# Altium PCB HIVE_SIGHT.PcbDoc (part 3 of 4)
Units mil, origin at the board's own origin, x right, y up, seen from the top; angles counter-clockwise.
Board outline 2755.91 x 4245.66 mil, 4 copper layers (Top, GND, PWR, Bottom), stack 60.394 mil thick; 270 components, 195 nets, 1094 pads, 396 vias.
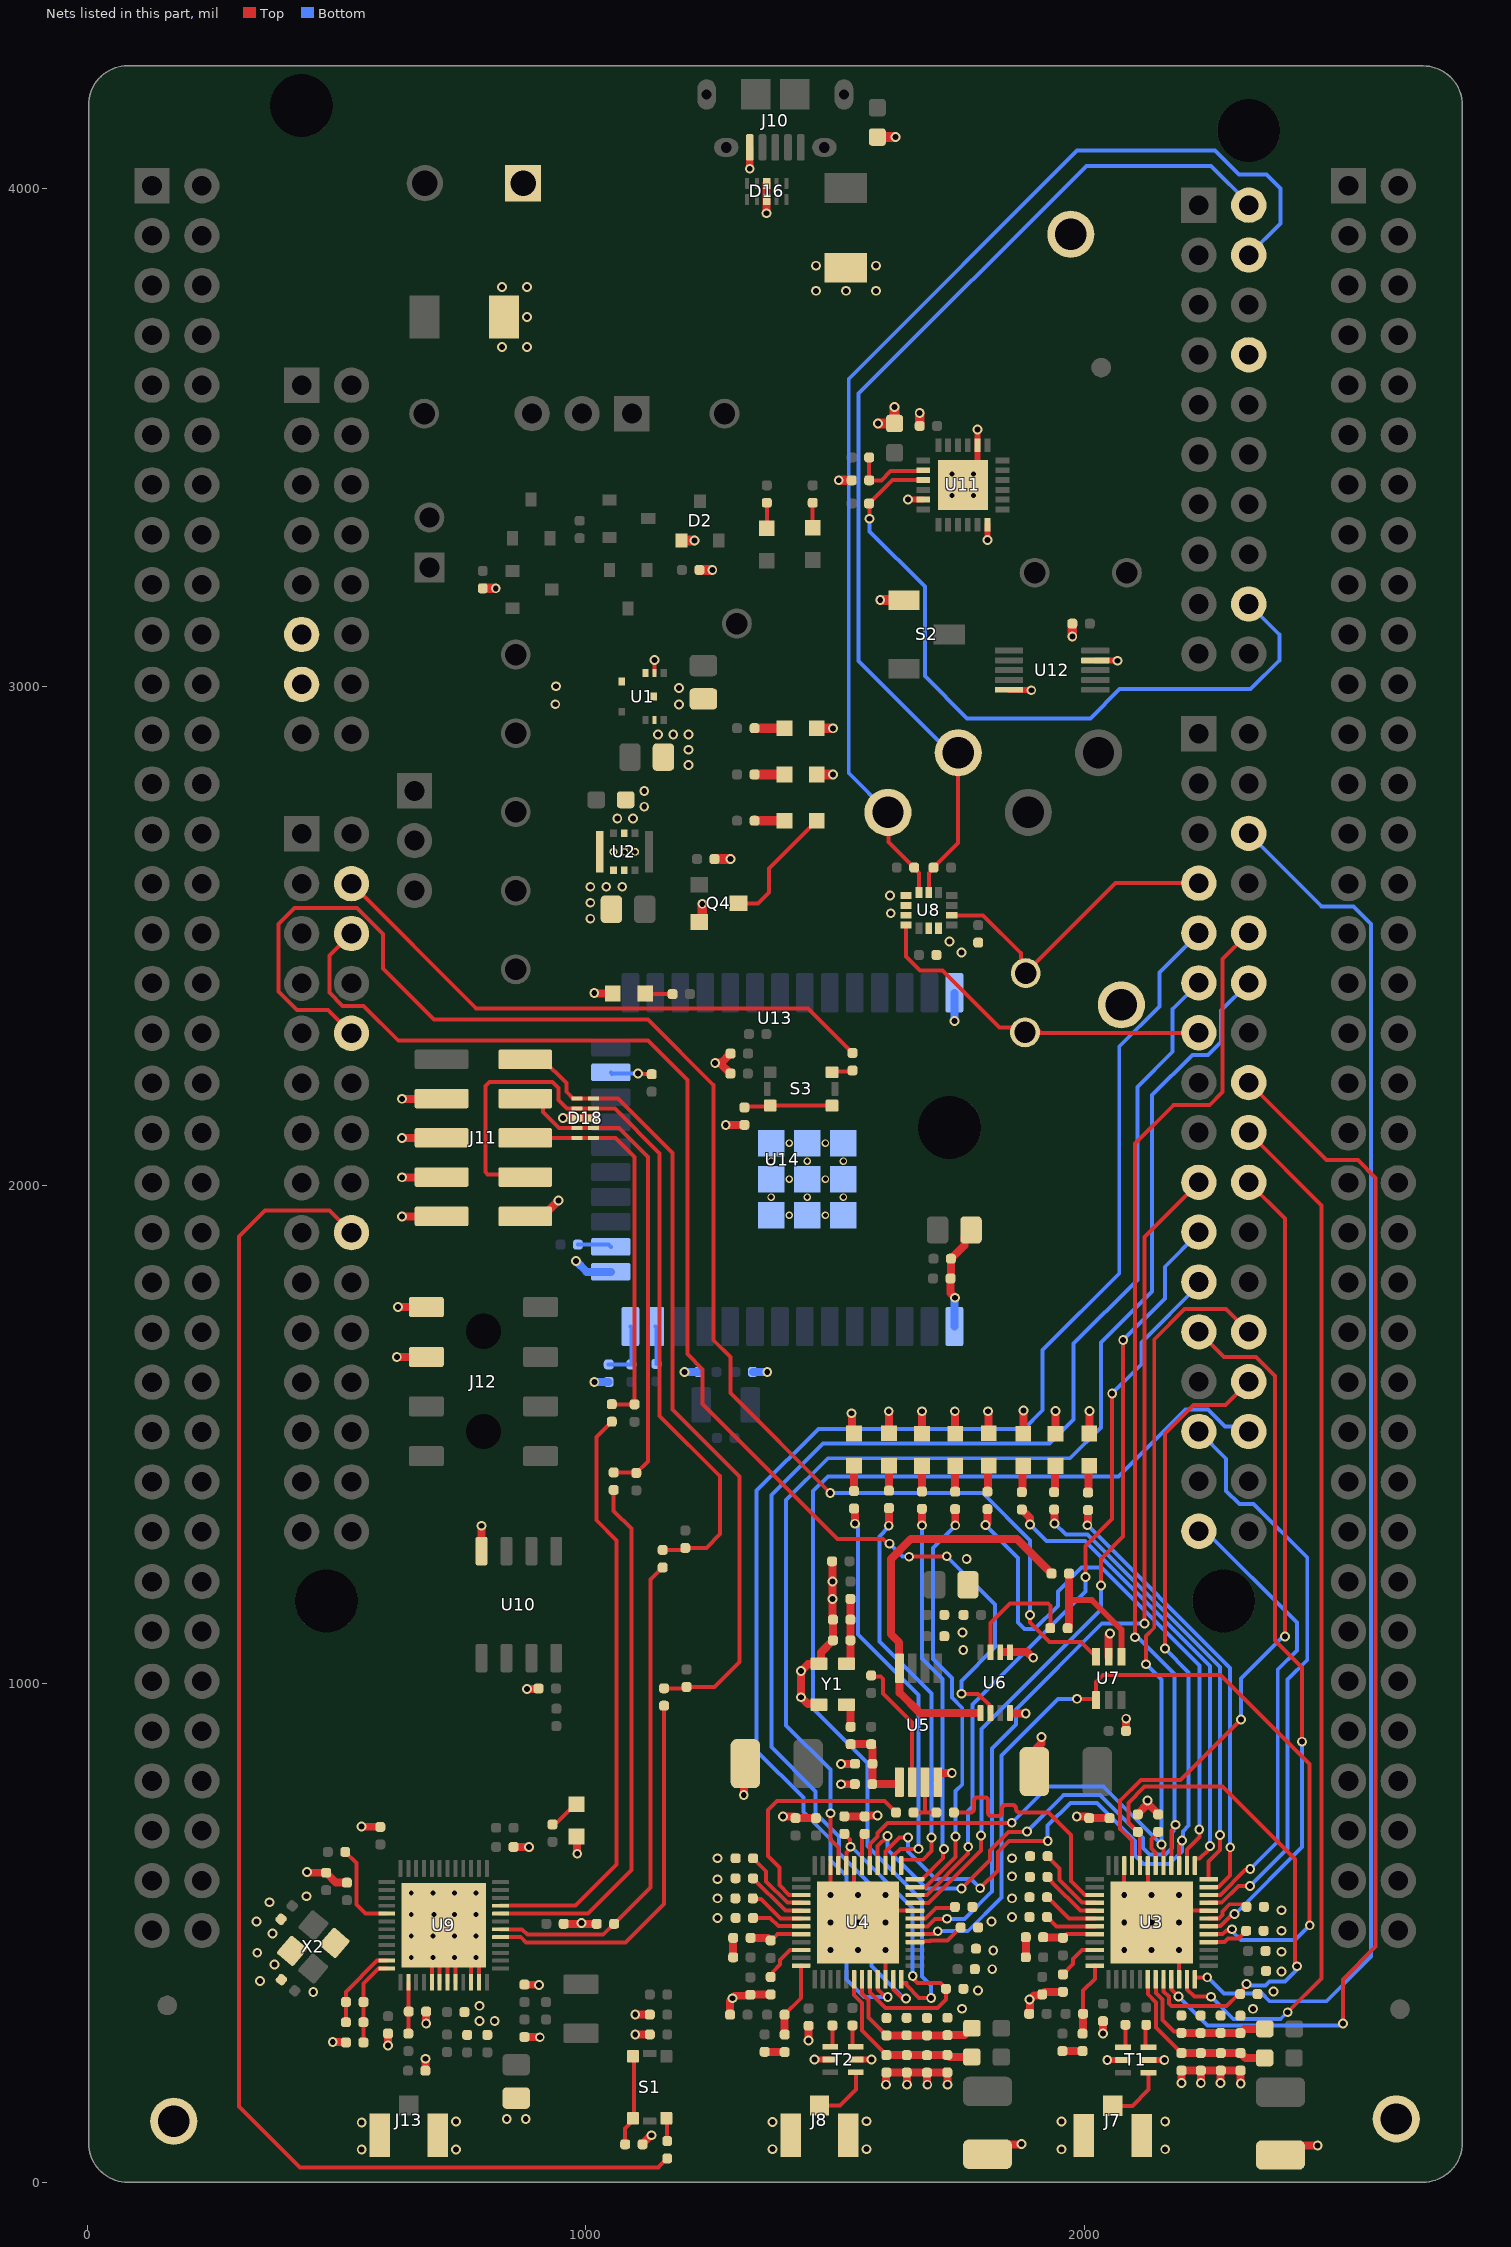
[diagram p5: the nets of this part, all layers, seen from the top]

## Via types
v1: diameter 19.68, hole 11.81, Top to Bottom, tented both sides, 346 vias
v2: diameter 19.68, hole 11.81, Top to Bottom, 18 vias
v3: diameter 19.68, hole 10, Top to Bottom, 16 vias
v4: diameter 15.75, hole 10, Top to Bottom, 12 vias
v5: diameter 20, hole 10, Top to Bottom, 4 vias

## Nets (pads, with @x,y where several pads share a name; then routed paths per layer and width w, separated by ;. In a path a pad name is that pad's centre, name@x,y a point inside that pad or via, vN(x,y) a via of type N, cw(c..) or ccw(c..) an arc to the next point about the centre after c; other vN are vias at no path point) (continued)
GND: C1.1 C2.1 C3.1 C4.1 C5.2 C6.2 C7.2 C8.2 C9.2 C10.1 C11.1 C12.1 C13.1 C14.2 C17.2 C20.1 C21.1 C22.1 C23.1 C24.2 C25.2 C26.2 C27.2 C28.2 C29.2 C30.2 C31.2 C32.1 C35.2 C36.2 C37.2 C38.2 C39.2 C40.1 C41.1 C42.1 C43.1 C44.2 C46.2 C48.1 C49.1 C50.1 C51.1 C52.2 C53.2 C56.2 C57.2 C58.2 C59.2 C60.2 C61.2 C62.1 C67.1 C68.1 C69.1 C70.1 C71.2 C73.1 C74.1 C75.1 C76.1 C77.2 C78.2 C79.1 C80.1 C81.1 C82.1 C84.1 C85.1 C86.1 C87.1 C88.1 C89.1 C90.1 C91.1 C92.1 C93.1 C94.1 C95.1 C96.1 C97.1 C98.1 C99.1 C100.1 C101.1 C102.2 C103.1 C104.1 C105.1 C106.1 C107.1 C108.1 C109.1 C110.1 C111.1 C112.1 C113.1 D2.1 D3.K D4.K D6.K D7.K D8.K D9.K D10.K D11.K D12.K D13.K D14.1 D15.1 D16.3 D16.8 D17.K D18.3 D18.8 D21.K J7.2 J7.3 J8.2 J8.3 J9.1 J10.5 J11.3 J11.5 J11.7 J11.9 J11.10 J12.5 J12.6 J13.2 J13.3 Q4.2 R4.2 R5.2 R7.2 R14.1 R21.1 R24.1 R29.1 R32.1 R39.1 R42.1 R47.1 R52.1 S2.1 T1.2 T1.5 T2.2 T2.5 TP13.1 TP14.1 TP15.1 TP16.1 U1.2 U1.5 U1.7 U2.2 U2.5 U2.9 U3.22 U3.32 U3.43 U3.46 U3.49 U4.22 U4.32 U4.43 U4.46 U4.49 U5.4 U6.4 U6.5 U6.6 U7.2 U8.1 U8.2 U8.3 U8.6 U8.7 U9.5 U9.6 U9.7 U9.8 U9.10 U9.11 U9.49 U10.4 U11.2 U11.11 U11.18 U11.25 U12.5 U12.9 U13.CN7-8 U13.CN8-11 U13.CN8-13 U14.1 U14.15 U14.38 U14.39 X2.2 X2.4 Y1.1 Y1.3 | length 6514.4
  Top w8: U9.5@690.94,401.57 U9.49@690.94,450.79 ; v3(692.91,494.09) 690.94,492.13 U9.49@690.94,450.79 ; U9.6@706.69,401.57 706.69,435.1 691.01,450.79 U9.49@690.94,450.79 ; U9.49@714.57,515.75 U9.49@722.44,507.87 ; U9.7@722.44,401.57 U9.49@722.44,507.87 ; U9.8@738.19,401.57 738.19,446.85 757.94,446.85 769.68,435.1 U9.10@769.68,401.57 ; U9.49@738.19,450.79 U9.49@738.19,492.13 ; U9.11@785.43,401.57 785.43,444.88 v3(779.53,450.79) U9.49@738.19,492.13 ; U1.2@1137.78,3027.87 v1(1137.8,3053.9) ; U4.46@1490.73,635.7 v2(1490.73,576.65) U4.49@1537.98,529.4 ; U4.43@1537.98,635.7 U4.49@1537.98,529.4 ; U4.22@1600.97,407.35 v2(1600.97,466.41) v2(1545.85,521.53) ; U4.32@1660.02,545.15 1569.47,545.15 v2(1545.85,521.53) ; U3.46@2079.83,635.7 v2(2079.83,576.65) U3.49@2127.07,529.4 ; U3.43@2127.07,635.7 U3.49@2127.07,529.4 ; U3.22@2190.07,407.35 v2(2190.07,466.41) v2(2134.95,521.53) ; U3.32@2249.12,545.15 2158.57,545.15 v2(2134.95,521.53) ; U9.49@722.44,507.87 U9.49@738.19,492.13 ; U4.49@1537.98,529.4 v2(1545.85,521.53) ; U3.49@2127.07,529.4 v2(2134.95,521.53)
  Top w11.81: v1(1458.71,246.64) T2.5@1490.36,246.64 ; T2.2@1541.54,246.47 v1(1573.18,246.47) ; v1(2045.86,245.79) T1.5@2077.5,245.71 ; T1.2@2128.68,245.62 v1(2160.32,245.62)
  Top w12: J10.5@1328.62,4082.21 J10.5@1328.69,4082.27 ; v1(1645.84,3375.75) U11.11@1676.43,3375.75 ; U11.25@1726.63,3375.75 v5(1734.5,3383.62) U11.25@1756.16,3405.28 ; U11.25@1785.68,3435.79 U11.2@1785.68,3485 v1(1785.68,3516.58) ; v1(1805.37,3294.96) U11.18@1805.37,3325.55 U11.18@1805.37,3326.54 ; U12.5@1848.7,2994.28 1848.79,2994.19 1892.75,2994.19 v1(1893.53,2993.41) ; U12.9@2021.83,3053.43 U12.9@2021.93,3053.34 2065.88,3053.34 v1(2066.66,3052.56)
  Top w15.75: v1(1328.63,4039.48) J10.5@1328.62,4082.21
  Top w16: v1(440.62,622.8) 441.62,622.8 443.17,621.26 C90.1@478.95,621.26 498.91,601.29 C89.1@520.48,601.29 ; v1(492.16,281.65) 517.84,281.65 C84.1@518.61,280.89 ; v1(549.58,713.9) 549.96,713.53 587.22,713.53 C88.1@587.6,713.15 ; v1(603.1,274.71) C91.1@603.1,298.58 ; v1(620.65,1656.02) J12.6@679.85,1656.02 ; v1(622.94,1756.02) J12.5@679.85,1756.02 ; v1(631.1,1937.53) 710.04,1937.53 J11.9@710.56,1938.05 ; v1(631.1,2016.27) J11.7@710.04,2016.27 ; v1(631.1,2095.01) J11.5@710.04,2095.01 ; v1(631.1,2173.75) J11.3@710.04,2173.75 ; C98.1@678,224.26 v1(678,248.13) ; v1(679.54,318.97) C99.1@679.54,342.84 ; v1(790.37,1317.39) 790.37,1266.9 U10.4@790.69,1266.58 ; C93.1@852.95,672.93 v1(885.56,672.93) v1@887.77,670.72 ; C85.1@874.97,396.59 v1@905.17,396.59 ; C86.1@876.91,291.7 v1@907.11,291.7 ; v1(881.89,990.16) 904.05,990.16 C87.1@904.86,990.96 ; J11.10@904.38,1938.56 914.04,1938.56 v1(945.22,1969.75) ; v1(953.72,2135) 953.8,2134.92 983.48,2134.92 983.56,2134.84 D18.8@1013.88,2134.84 ; C94.1@955.48,518.83 957.14,518.83 957.48,518.48 988.43,518.48 990.28,520.32 v1(991.27,520.32) 991.98,519.62 994.58,519.62 995.5,518.7 R32.1@1013.38,518.7 ; D17.K@981.3,693.9 981.9,693.3 981.9,659.9 v1(982.5,659.3) ; v1(1016.73,2385.83) 1017.2,2385.36 1053.65,2385.36 D21.K@1053.83,2385.18 ; v1(1099.04,296.98) C97.1@1128.14,296.98 ; v1(1099.04,336.71) C96.1@1128.14,336.71 ; R39.1@1113.71,76.53 1112.91,77.33 1130.3,94.72 v1(1131.67,94.72) ; v1(1259.26,2245.64) 1259.97,2246.35 1271.99,2246.35 C108.1@1290.15,2264.52 ; 1269.24,2244.94 C107.1@1289.81,2224.36 ; v1(1280.47,2121.16) 1317.62,2121.16 R47.1@1318.01,2121.55 ; C61.2@1289.23,336.49 1289.23,364.31 v1(1294.34,369.42) 1299.45,374.52 1327.8,374.52 C59.2@1329.8,376.52 1330.12,376.84 1370.26,376.84 C60.2@1370.58,377.16 ; v1(1316.55,777.49) 1317.26,778.19 1317.26,837.48 C105.1@1319.77,839.99 ; v1(1362.52,3950.16) 1362.59,3950.24 1362.59,3979.93 1362.67,3980 D16.3@1362.67,4010.32 ; v1(1395.43,734.26) 1417.07,734.26 C56.2@1420.53,730.8 C53.2@1461.49,730.8 ; v1(1446.63,285.04) C46.2@1446.63,314.35 ; Y1.3@1467.53,958.62 1466.58,959.57 1445.29,959.57 1431.6,973.26 v1(1431.44,973.26) 1431.57,973.39 v1(1431.57,1026.11) 1431.82,1026.11 1445.29,1039.57 1466.58,1039.57 Y1.1@1467.53,1040.51 1471.31,1044.3 1471.31,1063.12 C75.1@1495.66,1087.48 C74.1@1495.66,1128.99 1494.75,1129.9 v1(1494.75,1170.5) v1(1494.75,1205.5) 1494.75,1245.19 C73.1@1493.85,1246.09 ; v1(1511.48,798.78) C76.1@1538.94,798.78 ; v1(1511.86,839.5) R24.1@1539.32,839.5 ; C44.2@1518.25,734.39 C39.2@1559.18,734.39 ; v1(1533.03,1543.1) 1533.73,1542.39 1533.73,1506.76 D13.K@1537.93,1502.56 ; C76.1@1539.37,799.21 C76.1@1539.53,799.38 ; R24.1@1539.58,839.77 R24.1@1539.75,839.93 ; C39.2@1564.31,736.22 v1(1584.65,736.22) ; v1(1601.97,196.12) 1602.37,196.53 1602.37,220 C43.1@1602.78,220.4 1602.93,220.56 1724.77,220.56 C41.1@1724.93,220.72 1725.09,220.56 1725.09,196.28 v1(1725.24,196.12) ; v1(1607.44,1546.96) 1607.61,1546.78 1607.61,1503.1 D12.K@1607.79,1502.92 ; C42.1@1643.66,220.4 1643.83,220.23 1643.83,196.29 v1(1644,196.12) ; D11.K@1674.03,1502.17 1674.2,1502.34 1674.2,1546.78 v1(1674.38,1546.96) ; C40.1@1684.21,220.23 1684.54,219.9 1684.54,196.45 v1(1684.87,196.12) ; U5.4@1705.71,803.15 1705.71,820.23 1706.57,821.09 v1(1734.02,821.09) ; v1(1740.01,1546.96) 1740.36,1546.61 1740.36,1502.51 D10.K@1740.71,1502.17 ; v1(1740.23,1774.73) 1740.23,1775.73 1731.5,1784.46 C113.1@1731.5,1813.49 1731.89,1813.88 1731.89,1852.64 C112.1@1732.28,1853.03 1759.05,1879.8 1759.05,1897.08 C111.1@1772.55,1910.58 ; C106.1@1805.62,56.58 1824.8,75.75 1871.17,75.75 1872.5,77.08 v1(1873.49,77.08) ; v1(1806.75,1546.96) 1806.75,1545.96 1808.04,1544.67 D9.K@1808.04,1502.92 ; U6.6@1834,1064.03 1885.03,1064.03 1896.55,1052.52 v1(1897.25,1052.52) ; U6.4@1854,941.05 1881.77,941.05 v1(1882.36,940.46) ; D8.K@1877.02,1502.17 1877.76,1502.91 v1(1877.76,1548.73) v1@1877.37,1548.73 ; C31.2@1889.23,338.35 1891.23,340.35 1891.23,365.66 v1(1889.76,367.13) 1890.76,367.13 1899.01,375.38 1913.43,375.38 C29.2@1915.43,377.38 ; C103.1@1899.63,824.19 C103.1@1902.83,827.4 ; C103.1@1902.83,810.1 C103.1@1902.83,827.4 ; v1(1913.6,893.33) 1913.6,880.33 1902.83,869.55 C103.1@1902.83,827.4 ; C29.2@1920.41,382.36 C30.2@1956.79,382.36 ; v1@1940.76,1547.45 v1(1942.04,1547.45) 1942.04,1502.36 D7.K@1941.85,1502.17 ; v1(1984.53,734.26) 2006.17,734.26 C26.2@2009.63,730.8 C25.2@2050.59,730.8 ; D6.K@2009.77,1502.56 2009.77,1547.06 v1(2010.02,1547.31) ; v1(2037.3,298.5) C17.2@2037.3,323.47 ; U7.2@2048.83,1054.33 2048.7,1054.45 2048.7,1098.57 v1(2051.24,1101.11) ; C71.2@2083.61,905.81 2083.74,905.93 v1(2083.74,930.31) ; C14.2@2107.02,738.33 2109.02,740.33 2109.02,741.33 2125.79,758.1 2125.79,765.33 v1(2126.5,766.03) 2127.2,765.33 2127.2,760.21 2145.95,741.46 2145.95,740.47 C9.2@2147.95,738.47 ; v1(2194.75,199.48) C13.1@2194.75,224.51 C12.1@2233.48,224.51 ; v1(2233.48,199.48) C12.1@2233.48,224.51 ; v1(2273.29,199.4) 2273.44,199.54 2273.44,224.37 C11.1@2273.58,224.51 ; v1(2313.7,198.49) 2313.41,198.79 2313.41,224.22 C10.1@2313.11,224.51 C11.1@2273.58,224.51 ; C104.1@2393.25,55.11 2412.43,74.28 v1(2467.93,74.28) ; C12.1@2233.48,224.51 C11.1@2273.58,224.51
  Top w19.68: R4.2@793.07,3197.82 v1(819.07,3197.82) ; D2.1@1191.6,3293.63 v1(1217.6,3293.63) ; Q4.2@1227.33,2528.59 1233.27,2534.53 v1(1233.27,2564.96) ; R5.2@1227.57,3234.65 v1(1253.57,3234.65) ; R7.2@1257.83,2654.64 v1(1290.33,2654.64) ; D4.K@1462.67,2917 v1(1495.84,2917) ; D3.K@1463.35,2824.48 v1(1495.84,2824.48) ; v1(1507.19,3414.56) R42.1@1533.19,3414.56 ; R29.1@1584.63,4102.98 v1(1621.13,4102.98) ; v1(1585.87,3528.57) C100.1@1619.15,3528.57 v1(1619.15,3561.85) ; v1(1590.42,3174.22) S2.1@1638.07,3174.22 ; C101.1@1669.51,3523.62 v1(1669.51,3549.62) ; v1(1975.78,3100.94) C102.2@1975.78,3126.94
  Bottom w16: v1(980.2,1848.22) 1001.57,1826.85 U14.15@1049.91,1826.85 ; v1(1016.85,1605.97) R52.1@1045.72,1605.97 ; v1(1197.83,1625.85) C109.1@1226.71,1625.85 ; C110.1@1334.88,1625.85 v1(1363.75,1625.85) ; v1(1739.17,2329.72) 1739.33,2329.88 U14.38@1739.28,2386.49 U14.38@1739.28,2386.49 ; U14.1@1739.28,1717.19 1739.75,1717.67 1739.75,1774.26 v1(1740.23,1774.73)
  other v1: 550.2,66.02 739.17,66.02 1374.03,66.78 1563,66.78 1953.83,66.42 2161.99,66.42 550.2,120.44 1374.03,121.2 739.17,122.01 1563,122.77 1953.83,122.17 2161.99,122.17 841.13,127.22 879.35,127.22 907.52,291.29 786.42,323.82 816.93,323.82 1754.5,348.41 2338.07,348.28 786.42,354.33 452.99,382.25 2379.6,383.34 1786.42,384.97 905.58,396.18 346.5,403.93 2395.36,423.02 1815.1,427.81 375.18,437.16 340.66,460.67 2395.36,462.71 1817.15,465.22 371.49,499.35 2395.36,504.8 339.4,523.77 1813.48,523.6 1263.75,530.56 1854.65,532.31 2395.36,545.96 365.16,562.01 1263.75,569.92 1854.65,569.92 439.36,574.03 1263.75,608.14 1854.65,614.11 1263.75,650.36 1854.65,650.36 1756.96,1068.39 1755.36,1103 1763.81,1250.45 1753.4,2467.5 1729.39,2489.09 1008.86,2535.12 1611.43,2546.11 1008.86,2567.11 1610.23,2581.83 1008.86,2599.09 1040.84,2599.09 1072.82,2599.09 1062.99,2736.22 1094.49,2736.22 1117.13,2759.84 1117.13,2791.34 1205.71,2843.5 1205.71,2874.02 1144.68,2904.53 1175.2,2904.53 1205.55,2904.43 1187.01,2964.57 938.61,2965.18 1187.01,2998.03 940.07,3001.38 831.55,3682 882,3682 882,3742 1461.79,3794.63 1521.79,3794.63 1581.79,3794.63 831.55,3802 882,3802 1461.79,3845.09 1581.79,3845.09
  other v2: 1490.73,466.41 1545.85,466.41 2079.83,466.41 2134.95,466.41 1490.73,521.46 1600.97,521.53 2079.83,521.46 2190.07,521.53 1545.85,576.65 1600.97,576.65 2134.95,576.65 2190.07,576.65
  other v3: 649.61,450.79 692.91,450.79 736.22,450.79 649.61,494.09 736.22,494.09 779.53,494.09 649.61,537.4 694.88,537.4 736.22,537.4 779.53,537.4 649.61,580.71 692.91,580.71 736.22,580.71 779.53,580.71
  other v4: 1407.88,1940.23 1480.12,1940.23 1371.76,1976.35 1444,1976.35 1516.25,1976.35 1407.88,2012.47 1480.12,2012.47 1371.76,2048.59 1444,2048.59 1516.25,2048.59 1407.88,2084.71 1480.12,2084.71
  other v5: 1777.81,3383.62 1734.5,3426.93 1777.81,3426.93
IMU_INT1: TP9.1 U8.4 U13.CN10-13 | length 718.8
  Top w8: U8.4@1642.04,2522.22 1642.04,2459.28 1670.41,2430.91 1715.48,2430.91 1829.35,2317.04 1890.86,2317.04 1896.41,2322.59 1913.04,2305.96 2229.27,2305.96 U13.CN10-13@2229.63,2306.33
IMU_INT2: TP10.1 U8.9 U13.CN10-7 | length 636.7
  Top w8: U8.9@1733.58,2541.91 1796.4,2541.91 1872.31,2466 1872.31,2435.73 TP10.1@1882.26,2425.78 2062.8,2606.33 U13.CN10-7@2229.63,2606.33
IMU_SCL: R27.2 TP11.1 U8.13 U13.CN7-2 | length 2123.5
  Top w8: U8.13@1687.81,2587.67 1687.81,2626.97 1697.42,2636.57 R27.2@1697.42,2637.65 1746.8,2687.04 TP11.1@1746.8,2867.9
  Bottom w8: TP11.1@1746.8,2867.9 1731.6,2867.9 1547.13,3052.36 1547.13,3588.92 2003.71,4045.5 2253.5,4045.5 2329.63,3969.37 U13.CN7-2@2329.63,3966.33
IMU_SDA: R28.2 TP12.1 U8.14 U13.CN7-4 | length 2335.1
  Top w8: TP12.1@1605.92,2748.25 1607.17,2747 1607.17,2689.01 R28.2@1658.52,2637.65 1658.52,2636.57 1668.13,2626.97 U8.14@1668.13,2587.67
  Bottom w8: TP12.1@1605.92,2748.25 1527.24,2826.93 1527.24,3617.84 1985.24,4075.84 2262.16,4075.84 2310.29,4027.71 2364.87,4027.71 2393,3999.58 2393,3929.69 U13.CN7-4@2329.63,3866.33
JTAG_TCK: R58.1 U9.20 | length 1076
  Top w8: U9.20@828.74,539.37 1004.11,539.37 1091.15,626.41 1091.15,1311.9 1055.66,1347.39 R58.1@1055.66,1389.25
JTAG_TCK_SW: D18.4 D18.7 J11.4 R57.2 R58.2 | length 1017.5
  Top w8: J11.4@878.27,2174.27 898.53,2174.27 914.22,2158.58 914.22,2147.27 946.29,2115.2 D18.7@1013.06,2115.2 ; D18.4@983.56,2115.16 D18.7@1013.88,2115.16 ; D18.7@1016.1,2115.2 1066.01,2115.2 1124.33,2056.87 1124.33,1446.68 R57.2@1101,1423.34 1100.55,1423.79 1056.12,1423.79 R58.2@1055.66,1424.25
JTAG_TDI: R32.2 R62.1 U9.18 | length 996.8
  Top w8: U9.18@828.74,507.87 871.83,507.87 882.76,496.95 1034.76,496.95 R32.2@1056.64,518.83 1129.92,592.11 1129.92,1209.65 R62.1@1154.03,1233.76
JTAG_TDI_SW: D18.2 D18.9 J11.8 R61.2 R62.2 | length 1622
  Top w8: J11.8@878.27,2016.79 872.89,2022.17 803.06,2022.17 798.37,2026.85 798.37,2199.52 806.63,2207.78 932.97,2207.78 944.88,2195.87 944.88,2171.86 962.18,2154.57 983.56,2154.57 D18.9@1015.16,2154.53 1058.03,2154.57 1148.06,2064.54 1148.06,1537.84 1269.24,1416.66 1269.24,1300.61 1241.46,1272.84 R61.2@1199.41,1272.84 ; R62.2@1154.03,1268.76 1154.14,1268.86 1197.18,1268.86 R61.2@1197.29,1268.96
JTAG_TDO: R60.1 U9.21 | length 1185.2
  Top w8: U9.21@828.74,555.12 979.08,555.12 1061.77,637.81 1061.77,1287.81 1021.18,1328.4 1021.18,1495.46 R60.1@1051.89,1526.16
JTAG_TDO_SW: D18.5 D18.6 J11.6 R59.2 R60.2 | length 775.5
  Top w8: J11.6@878.27,2095.53 983.56,2095.51 D18.6@1013.06,2095.51 ; D18.6@1014.51,2095.51 1059.02,2095.51 1097.52,2057.01 R59.2@1097.52,1561.05 ; R60.2@1051.89,1561.16 1052,1561.05 R59.2@1097.52,1561.05 ; R59.2@1097.63,1560.93 R59.2@1097.52,1561.05
JTAG_TMS: R56.1 U9.17 | length 759.6
  Top w8: U9.17@828.74,492.13 828.8,492.06 869.26,492.06 880.02,481.3 1079.46,481.3 1156.74,558.58 ; 1156.74,561.23 R56.1@1156.74,956.3
JTAG_TMS_SW: D18.1 D18.10 J11.2 R55.2 R56.2 | length 1632.2
  Top w8: J11.2@878.27,2253.01 912.72,2253.01 960.63,2205.1 960.63,2187.99 974.41,2174.21 D18.10@1015.16,2174.21 1043.47,2174.21 1043.51,2174.25 1064.71,2174.25 1173.85,2065.11 1173.85,1550.35 1308.04,1416.17 1308.04,1043.85 1258.33,994.15 R55.2@1201.85,994.15 ; R56.2@1156.74,991.3 R55.2@1201.85,991.3
LED_RX_A: R9.2 U3.36 | length 916.3
  Top w8: U3.36@2249.12,608.14 2249.12,643.89 2271.76,666.54 v1(2271.76,696.88)
  Top w16: R9.2@1939.27,1349.85 1940.21,1350.79 v1(1940.21,1322.15)
  Bottom w8: v1(1940.21,1322.15) 1962.74,1299.62 2006.4,1299.62 2271.76,1034.26 v1(2271.76,696.88)
LED_RX_B: R16.2 U4.36 | length 794.3
  Top w8: U4.36@1660.02,608.14 1660.35,608.47 1674.72,608.47 1716.8,650.54 1716.8,667.33 v1(1718.58,669.12)
  Top w16: v1(1674.03,1318.22) R16.2@1674.03,1351.3
  Bottom w8: v1(1674.03,1318.22) 1674.03,1050.66 1714.86,1009.83 1714.86,672.84 v1(1718.58,669.12)
LED_RX_OK_A: R13.2 U3.38 | length 1187.1
  Top w8: U3.38@2205.81,635.7 2205.48,636.03 2205.48,667.82 2230.42,692.75 v1(2230.42,708.17)
  Top w16: v1(1801.47,1318.83) 1801.47,1319.82 1805.46,1323.82 R13.2@1805.46,1350.6
  Bottom w8: v1(1801.47,1318.83) 1867.21,1253.09 1867.21,1122.95 1880.23,1109.93 1900.32,1109.93 1946.64,1156.25 1946.64,1185.77 1994.53,1233.66 2034.18,1233.66 2230.42,1037.42 v1(2230.42,708.17)
LED_RX_OK_B: R20.2 U4.38 | length 812.2
  Top w8: U4.38@1616.72,635.7 1617.05,636.03 1617.05,655.54 1630.8,669.29 v1(1667.32,669.29)
  Top w16: R20.2@1537.93,1351.84 1539.93,1349.84 1539.93,1321.59 v1(1539.83,1321.48)
  Bottom w8: v1(1539.83,1321.48) 1545.89,1315.43 1545.89,1099.51 1667.32,978.08 v1(1667.32,669.29)
LED_SFD_A: R11.2 U3.37 | length 933.5
  Top w8: U3.37@2221.56,635.7 2221.56,649.16 2221.89,649.49 2231.27,649.49 2249.55,667.77 2249.55,672.39 v1(2251.79,674.62)
  Top w16: R11.2@1874.44,1349.85 1891.15,1333.14 v1(1891.15,1319.62)
  Bottom w8: v1(1891.15,1319.62) 1924.14,1286.62 2001.01,1286.62 2251.79,1035.85 v1(2251.79,674.62)
LED_SFD_B: R18.2 U4.37 | length 818.7
  Top w8: U4.37@1632.46,635.7 1632.46,647.01 1632.8,647.35 1676.06,647.35 1693.39,664.67 v1(1693.39,692.24)
  Top w16: v1(1607.44,1317.53) 1607.61,1317.7 1607.61,1352.55 R18.2@1607.79,1352.73
  Bottom w8: v1(1607.44,1317.53) 1607.44,1314.64 1588.92,1296.13 1588.92,1085.57 1693.39,981.1 v1(1693.39,692.24)
LED_TX_A: R8.2 U3.35 | length 905.1
  Top w8: U3.35@2249.12,592.39 2249.45,592.72 2268.96,592.72 2292.43,616.2 v1(2292.43,672.28)
  Top w16: v1(2005.86,1318.46) 2005.86,1319.46 2007.19,1320.79 R8.2@2007.19,1348.86
  Bottom w8: v1(2005.86,1318.46) 2005.94,1318.46 2292.43,1031.97 v1(2292.43,672.28)
LED_TX_B: R15.2 U4.35 | length 853
  Top w8: U4.35@1660.02,592.39 1660.35,592.72 1681.27,592.72 1741.14,652.59 v1(1741.14,693.9)
  Top w16: R15.2@1740.71,1350.6 1740.88,1350.43 1740.88,1318.39 v1(1741.05,1318.22)
  Bottom w8: v1(1741.05,1318.22) 1695.93,1273.09 1695.93,1050.28 1734.57,1011.64 1734.57,972.46 1754.92,952.11 1754.92,798.72 1741.14,784.94 v1(1741.14,693.9)
LNA_IN: C99.2 L7.2 U9.2 | length 103.4
  Top w8: U9.2@643.7,401.57 U9.2@643.7,401.57 643.76,342.85 644.15,342.46 644.15,298.89 L7.2@643.77,298.51
NetC6_1: C6.1 U3.28 | length 84.8
  Top w8: U3.28@2249.12,482.16 2262.31,482.14 2280.71,482.14 2287.74,489.17 2308.86,489.17 C6.1@2324.48,504.8
NetC7_1: C7.1 C14.1 U3.20 U3.44 | length 1105.4
  Top w8: U3.44@2111.33,635.7 2110.99,636.03 2110.99,699.35 C14.1@2107.02,703.33 2088.66,721.69 2088.66,730 2088.02,730.64 2088.02,761.56 2120.49,794.03 2276.83,794.03 2422.24,648.62 v1@2422.24,435.87 ; U3.20@2158.57,407.35 2158.9,407.02 2158.9,383.42 2169.7,372.62 2169.7,358.6 2174.39,353.92 2246.19,353.92 2246.34,353.76 2261.95,353.76 2262.1,353.92 2285.06,353.92 2306.66,375.51 C7.1@2307.75,375.51 ; C7.1@2312.42,377.93 2317.19,382.69 2317.19,386.25 2319.55,388.62 2319.55,388.98 2325.23,394.66 v1(2325.23,397.83)
  Bottom w8: v1(2325.23,397.83) 2328.4,397.83 2330.81,395.41 2363.61,395.41 2371.38,403.18 2402.16,403.18 2426.17,427.19 v1(2426.17,433.66)
NetC8_1: C8.1 U3.31 | length 94.1
  Top w8: U3.31@2249.12,529.4 2249.45,529.73 2270.21,529.73 2276.82,536.35 2276.82,543.55 2291.34,558.07 2314.27,558.07 2314.64,557.7 2320.19,557.7 C8.1@2324.95,552.93
NetC9_1: C9.1 U3.42 | length 76.7
  Top w8: U3.42@2142.82,635.7 2142.49,636.03 2142.49,661.69 2134.63,669.55 2134.63,689.07 2147.95,702.38 C9.1@2147.95,703.47
NetC10_2: C10.2 C11.2 C12.2 C13.2 L1.2 U3.18 | length 346.6
  Top w8: U3.18@2127.07,407.35 2127.07,377.85 2143.7,361.22 2143.7,310.56 C13.2@2194.75,259.51
  Top w16: C13.2@2194.75,259.51 C12.2@2233.48,259.51 C11.2@2273.58,259.51 C10.2@2313.11,259.51 2322.85,249.77 L1.2@2361.47,249.77
NetC15_2: C15.2 R10.2 | length 40.2
  Top w16: C15.2@1882.36,451.76 R10.2@1882.36,491.99
NetC16_1: C16.1 R10.1 U3.8 | length 106.9
  Top w8: R10.1@1917.36,491.99 R10.1@1918.01,491.34 ; C16.1@1956.14,491.34 C16.1@1956.79,490.69 1957.87,490.69 1965.09,497.91 U3.8@2020.77,497.91
  Top w16: R10.1@1918.01,491.34 C16.1@1956.14,491.34
NetC18_1: C18.1 R12.2 U3.12 | length 146.6
  Top w8: C18.1@1997.35,338.35 1997.35,385.03 2020.77,408.45 U3.12@2020.77,434.91
  Top w16: R12.2@1996.24,298.5 1996.8,299.06 1996.8,337.79 C18.1@1997.35,338.35
NetC19_1: C19.1 R12.1 | length 40.3
  Top w16: C19.1@1955.99,263.5 R12.1@1996.24,263.5
NetC20_2: C20.2 C21.2 C22.2 C23.2 L2.2 U3.19 | length 307
  Top w8: U3.19@2142.82,407.35 2143.15,407.02 2143.15,380.47 2156.7,366.92 2156.7,325.59 2179.69,302.6 2191.77,302.6 C23.2@2194.46,299.91
  Top w16: C23.2@2194.46,299.91 2233.19,299.91 C21.2@2273.29,299.91 2273.48,299.73 2312.64,299.73 C20.2@2312.82,299.55 2321.38,308.11 L2.2@2361.84,308.11
NetC27_1: C27.1 U3.6 | length 114.4
  Top w8: C27.1@1924.77,573.79 1969.16,529.4 U3.6@2020.77,529.4
NetC28_1: C28.1 U3.7 | length 104.1
  Top w8: C28.1@1924.77,533.16 1944.28,513.65 U3.7@2020.77,513.65
NetC30_1: C30.1 U3.10 | length 90.2
  Top w8: C30.1@1956.79,417.36 1977.37,437.94 1977.37,447.97 1995.47,466.08 2020.44,466.08 U3.10@2020.77,466.41
NetC32_2: C32.2 U3.4 | length 148.1
  Top w8: C32.2@1925.39,654.81 1950.07,630.14 1950.07,606.64 1995.47,561.23 2020.44,561.23 U3.4@2020.77,560.9
NetC33_1: C33.1 T1.4 | length 48.7
  Top w8: T1.4@2077.5,271.3 2080.41,271.3 2082.32,273.2 C33.1@2082.32,316.28
NetC34_1: C34.1 T1.3 | length 49.5
  Top w8: C34.1@2122.94,316.13 2122.94,273.2 2124.85,271.3 T1.3@2128.68,271.3
NetC36_1: C36.1 U4.28 | length 103.9
  Top w8: U4.28@1660.02,482.16 1662.28,484.42 1690.94,484.42 1691.51,484.99 1725.05,484.99 C36.1@1751.74,511.67
NetC37_1: C37.1 C44.1 U4.20 U4.44 | length 683.9
  Top w8: C44.1@1518.25,699.39 1530,687.64 1530,669.08 1522.56,661.63 1522.56,636.03 U4.44@1522.23,635.7 ; U4.20@1569.47,407.35 1569.8,407.02 1569.8,381.05 1579.78,371.08 ; 1579.78,371.03 1600.54,350.27 1705.64,350.27 1722.17,366.8 C37.1@1722.17,388.44 1710.94,399.67 1665.39,399.67 1655.59,409.47 v1(1655.59,414.39)
  Bottom w8: v1(1530.53,673.4) 1532.31,673.4 1655.59,550.12 v1(1655.59,414.39)
NetC38_1: C38.1 U4.31 | length 90
  Top w8: U4.31@1660.02,529.4 1660.35,529.73 1681.31,529.73 1701.86,550.29 1737.74,550.29 C38.1@1740.27,552.82
NetC39_1: C39.1 U4.42 | length 68.6
  Top w8: U4.42@1553.39,636.03 1553.39,692.52 1558.85,697.98 C39.1@1558.85,702.38
NetC40_2: C40.2 C41.2 C42.2 C43.2 L3.2 U4.18 | length 351.8
  Top w8: U4.18@1537.98,407.35 1537.98,376.11 1553.78,360.31 1553.78,349 1553.78,304.4 C43.2@1602.78,255.4
  Top w16: C43.2@1602.78,255.4 1602.93,255.56 1643.66,255.56 1684.21,255.56 1724.77,255.56 C41.2@1724.93,255.72 1728.98,251.66 L3.2@1773.98,251.66
NetC45_2: C45.2 R17.2 | length 39
  Top w16: C45.2@1295.4,451.68 R17.2@1295.44,490.6
NetC47_1: C47.1 R17.1 U4.8 | length 108.5
  Top w8: C47.1@1370.58,485.46 1371.66,485.46 1384.1,497.91 U4.8@1431.68,497.91
  Top w16: R17.1@1330.44,490.6 1365.44,490.6 C47.1@1370.58,485.46
NetC48_2: C48.2 C49.2 C50.2 C51.2 L4.2 U4.19 | length 310.3
  Top w8: U4.19@1553.72,407.35 1553.72,378.75 1566.78,365.69 1566.78,330.88 C51.2@1602.78,294.88
  Top w16: C51.2@1602.78,294.88 1603.03,295.14 1643.45,295.14 C49.2@1684.21,295.13 1724.85,295.14 C48.2@1725.1,295.39 1759.92,295.39 1773.83,309.3 L4.2@1774.33,309.3
NetC54_1: C54.1 R19.2 U4.12 | length 152
  Top w8: C54.1@1398.53,336.49 1431.55,369.51 U4.12@1431.55,434.91
  Top w16: C54.1@1398.53,336.49 1398.63,336.39 1398.63,296.73 R19.2@1398.73,296.63
NetC55_1: C55.1 R19.1 | length 40.4
  Top w16: C55.1@1358.57,262.14 1358.82,261.89 1398.48,261.89 R19.1@1398.73,261.63
NetC57_1: C57.1 U4.6 | length 113.7
  Top w8: C57.1@1334.75,569.92 1335.89,568.78 1351.07,568.78 1390.45,529.4 U4.6@1431.68,529.4
NetC58_1: C58.1 U4.7 | length 85.9
  Top w8: C58.1@1335.41,530.56 1369.5,530.56 1386.07,513.98 U4.7@1414.48,513.98
NetC60_1: C60.1 U4.10 | length 90
  Top w8: C60.1@1370.2,417.53 1374.87,417.53 1375.34,418.01 1375.34,422.67 1389.58,436.91 1389.58,446.45 1409.21,466.08 1431.35,466.08 U4.10@1431.68,466.41
NetC62_2: C62.2 U4.4 | length 145.4
  Top w8: C62.2@1335.4,650.36 1361.49,624.27 1361.49,603.65 1403.92,561.23 1431.35,561.23 U4.4@1431.68,560.9
NetC63_1: C63.1 T2.4 | length 46
  Top w8: T2.4@1490.36,272.15 1492.67,272.15 1494.58,274.05 C63.1@1494.58,315.05
NetC64_1: C64.1 T2.3 | length 48.6
  Top w8: C64.1@1534.78,315.1 1534.78,274.05 1536.68,272.15 T2.3@1541.54,272.15
NetC65_1: C65.1 U3.3 | length 485.1
  Top w8: C65.1@1737.97,742.13 1766.73,742.13 1770.73,742.13 ccw(c1770.73,750.13) 1778.73,750.13 1778.73,765.66 cw(c1785.73,765.66) 1785.73,772.66 1799.73,772.66 cw(c1799.73,765.66) 1806.73,765.66 1806.73,742.12 ccw(c1813.73,742.12) 1813.73,735.12 1827.73,735.12 ccw(c1827.73,742.12) 1834.73,742.12 1834.73,750.13 cw(c1841.73,750.13) 1841.73,757.13 1855.73,757.13 cw(c1855.73,750.13) 1862.73,750.13 ccw(c1870.73,750.13) 1870.73,742.13 1919.81,742.13 1928.15,742.13 1973.43,696.85 1973.43,604.49 2000.94,576.98 U3.3@2020.44,576.98
NetC65_2: C65.2 C66.2 U5.3 | length 117.8
  Top w8: C66.2@1652.34,742.13 1680.61,742.13 ; U5.3@1680.12,803.15 1680.61,802.66 1680.61,742.13 ; C65.2@1708.88,742.13 1680.61,742.13
NetC66_1: C66.1 U4.3 | length 485.7
  Top w8: U4.3@1431.68,576.65 1431.35,576.98 1407.73,576.98 1388.2,596.5 1388.2,631.58 1365.19,654.6 1365.19,746.77 1383.53,765.1 1599.07,765.1 1622.05,742.13 C66.1@1622.26,742.13
NetC72_1: C72.1 C76.2 R22.1 R24.2 U5.1 | length 180
  Top w16: C72.1@1531.17,879.08 R22.1@1572.19,879.08 1574.19,877.08 1574.19,873.08 1574.75,872.52 R24.2@1574.75,839.93 1574.58,839.77 1574.58,799.21 1628.08,799.21 1628.94,800.07 U5.1@1628.94,803.15 ; C76.2@1574.37,799.21 C76.2@1574.53,799.38
NetC72_2: C72.2 Y1.4 | length 50.5
  Top w16: Y1.4@1522.64,958.62 1526.77,958.62 1531.17,954.22 C72.2@1531.17,914.08
NetC74_2: C74.2 C75.2 L5.2 Y1.6 | length 135.4
  Top w16: Y1.6@1522.64,1040.51 1526.26,1040.51 1530.66,1044.92 C75.2@1530.66,1087.48 C74.2@1530.66,1128.99 L5.2@1530.66,1170.5
NetC83_1: C83.1 C84.2 R31.1 U9.48 | length 182.4
  Top w8: C83.1@550.07,365.53 C83.1@553.61,361.99 ; C84.2@553.61,280.89 R31.1@553.61,321.44 C83.1@553.61,361.99 ; U9.48@600.39,429.13 583.65,429.13 553.61,399.1 C83.1@553.61,361.99
NetC83_2: C83.2 R31.2 U9.47 | length 168.7
  Top w8: R31.2@518.61,321.44 C83.2@518.61,361.99 518.61,382.48 580.95,444.82 600.33,444.82 U9.47@600.39,444.88
NetD3_A: D3.A R3.2 | length 60.2
  Top w19.68: R3.2@1339.2,2824.48 D3.A@1399.36,2824.48
NetD4_A: D4.A R2.1 | length 60.2
  Top w19.68: R2.1@1338.23,2917.32 D4.A@1398.39,2917.32
NetD5_A: D5.A R6.2 | length 60.2
  Top w19.68: R6.2@1339.2,2731.63 D5.A@1399.36,2731.63
NetD5_K: D5.K Q4.3 | length 253.8
  Top w8: Q4.3@1306.07,2565.99 1345.33,2565.99 1367.29,2587.94 1367.29,2635.58 D5.K@1463.35,2731.64
NetD6_A: D6.A R8.1 | length 54.8
  Top w16: R8.1@2007.19,1383.86 2008.48,1385.15 2008.48,1436.31 D6.A@2009.77,1437.6
NetD7_A: D7.A R9.1 | length 53.4
  Top w16: R9.1@1939.27,1384.85 1940.56,1386.14 1940.56,1435.92 D7.A@1941.85,1437.21
NetD8_A: D8.A R11.1 | length 53.4
  Top w16: R11.1@1874.44,1384.85 1875.73,1386.14 1875.73,1435.92 D8.A@1877.02,1437.21
NetD9_A: D9.A R13.1 | length 53.4
  Top w16: R13.1@1805.46,1385.6 1806.75,1386.88 1806.75,1436.67 D9.A@1808.04,1437.96
NetD10_A: D10.A R15.1 | length 51.6
  Top w16: R15.1@1740.71,1385.6 D10.A@1740.71,1437.21
NetD11_A: D11.A R16.1 | length 50.9
  Top w16: R16.1@1674.03,1386.3 D11.A@1674.03,1437.21
NetD12_A: D12.A R18.1 | length 50.2
  Top w16: R18.1@1607.79,1387.73 D12.A@1607.79,1437.96
NetD13_A: D13.A R20.1 | length 50.8
  Top w16: R20.1@1537.93,1386.84 D13.A@1537.93,1437.6
NetD17_A: D17.A R30.1 | length 63
  Top w8: R30.1@934.91,718.62 939.63,723.33 cw(c939.76,723.2) 939.76,723.38 942.87,723.38 966.6,747.11 969.55,747.11 D17.A@981.3,758.86
NetD19_A: D19.A R43.2 | length 51.4
  Top w8: D19.A@1362.91,3318.11 R43.2@1362.91,3369.51
NetD20_A: D20.A R44.2 | length 50
  Top w8: D20.A@1455,3319.47 R44.2@1455,3369.51
NetD21_A: D21.A R53.1 | length 55.5
  Top w8: D21.A@1118.79,2385.18 1120.03,2383.94 R53.1@1173.75,2383.94
NetJ7_1: J7.1 T1.1 | length 119.1
  Top w8: J7.1@2056.9,153.74 2096.2,153.74 2128.68,186.23 T1.1@2128.68,220.12
NetJ8_1: J8.1 T2.1 | length 121.2
  Top w8: J8.1@1468.51,154.3 1468.29,154.53 1509.35,154.53 1541.54,186.72 T2.1@1541.54,220.96
NetR14_2: R14.2 U3.5 | length 125.9
  Top w8: R14.2@1924.31,614.11 1924.31,613.03 1936.07,601.28 1936.07,600.84 1991.75,545.15 U3.5@2020.77,545.15
NetR21_2: R21.2 U4.5 | length 123.4
  Top w8: R21.2@1335.17,610.18 1400.2,545.15 U4.5@1431.68,545.15
NetR23_1: R23.1 R26.1 U7.1 | length 295
  Top w12: 1969.06,1167.93 2015.31,1167.93 2074.42,1108.82 U7.1@2074.42,1054.33
  Top w16: R26.1@1966.49,1111.82 1969.06,1114.4 1969.06,1167.93 R23.1@1969.06,1221.46
NetR23_2: R23.2 U5.8 U6.1 | length 818
  Top w16: U6.1@1787,941.63 1669.98,941.63 1629.47,982.14 1629.47,1013.7 1628.08,1015.09 1628.08,1083.54 1611.75,1099.86 1611.75,1250.86 1651.75,1290.85 1864.67,1290.85 R23.2@1934.06,1221.46
NetR25_1: R25.1 U5.2 | length 257.9
  Top w8: R25.1@1572.19,1017.07 1574.33,1014.93 1591.45,1014.93 1596.13,1010.24 1596.13,980.56 1654.2,922.49 U5.2@1654.2,803.15
NetR26_2: R26.2 U6.7 | length 242.2
  Top w8: U6.7@1811.37,1063.68 1811.37,1122.29 1850.93,1161.84 1926.52,1161.84 1931.49,1156.88 R26.2@1931.49,1111.82
NetR34_1: R34.1 U9.41 | length 183.2
  Top w8: R34.1@517.19,663.07 539.48,640.78 539.48,557.47 557.59,539.37 U9.41@600.39,539.37
NetR38_1: R38.1 S1.3 | length 44
  Top w8: R38.1@1163.14,83.13 S1.3@1163.14,127.1
NetR38_2: R38.2 U13.CN9-18 | length 2930.4
  Top w8: U13.CN9-18@529.63,1905.33 485.2,1949.76 355.78,1949.76 303.81,1897.79 303.81,152.35 426.63,29.53 1146.01,29.53 ; 1144.58,29.76 1162.96,48.13 R38.2@1163.14,48.13
NetR39_2: R39.2 S1.1 S1.2 | length 181.8
  Top w8: R39.2@1078.71,76.53 1078.71,108.62 1096.21,126.12 1096.21,127.1 S1.2@1096.21,251.12
NetR40_2: R40.2 U11.9 U13.CN7-18 | length 1452.8
  Top w8: v1(1569.03,3337.34) 1568.56,3337.8 1568.56,3367.73 R40.2@1568.1,3368.2 1615.02,3415.12 U11.9@1676.43,3415.12
  Bottom w8: v1(1569.03,3337.34) 1569.03,3312.14 1679.8,3201.37 1679.8,3022.21 1764.87,2937.14 2011.94,2937.14 2070.41,2995.61 2333.2,2995.61 2390.86,3053.27 2390.86,3105.1 U13.CN7-18@2329.63,3166.33
NetR41_1: R41.1 R42.2 U11.8 | length 162.5
  Top w8: R41.1@1568.19,3460.39 R42.2@1568.19,3414.56 1592.61,3414.56 1610.94,3432.9 1674.53,3432.9 U11.8@1676.43,3434.8
NetR46_1: R46.1 S3.3 | length 42.9
  Top w8: S3.3@1493.61,2227.16 1495.41,2228.96 1533.2,2228.96 R46.1@1535,2230.76
NetR46_2: R46.2 U13.CN9-4 | length 1146
  Top w8: U13.CN9-4@529.63,2605.33 779.98,2354.98 1445.78,2354.98 R46.2@1535,2265.76
NetR47_2: R47.2 S3.1 S3.2 | length 177.1
  Top w8: R47.2@1318.01,2156.55 1319.85,2158.39 1367.76,2158.39 S3.2@1369.6,2160.23 S3.1@1493.61,2160.23
NetR48_1: R48.1 U14.13 | length 75.9
  Bottom w8: U14.13@1139.28,1717.19 1141.22,1715.25 R48.1@1141.22,1642.07
NetR49_1: R49.1 R52.2 U14.14 | length 122.2
  Bottom w8: R52.2@1045.72,1640.97 R49.1@1090.99,1640.97 1090.99,1715.48 U14.14@1089.28,1717.19
NetR50_1: R50.1 U14.16 | length 68
  Bottom w8: R50.1@983.83,1881.5 1045.26,1881.5 U14.16@1049.91,1876.85
NetR51_1: R51.1 U14.23 | length 83.9
  Top w8: v1(1104.74,2224.38) 1105.54,2223.58 1131.57,2223.58 R51.1@1132.01,2223.14
  Bottom w8: U14.23@1049.91,2226.85 1052.74,2224.01 1053.11,2224.38 v1(1104.74,2224.38)
NetU1_3: U1.3 U1.8
NetU2_1: U2.1 U2.7
NetU3_21: U3.21 U13.CN10-16 | length 2453.8
  Top w8: U3.21@2174.32,407.35 2174.65,407.02 2174.65,387.52 2188.54,373.63 v1(2188.54,373.09) ; U13.CN10-16@2329.63,2206.33 2485.2,2050.76 2548.45,2050.76 2584.2,2015.01 2584.2,473.07 2518.7,407.57 v1(2518.7,318.9)
  Bottom w8: v1(2188.54,373.09) 2188.54,372.61 2246.76,314.39 2514.2,314.39 v1(2518.7,318.9)
NetU3_23: U3.23 U13.CN10-18 | length 2105.9
  Top w8: U3.23@2205.81,407.35 2206.14,407.02 2206.14,387.52 2221.06,372.61 v1(2254.15,372.61) ; U13.CN10-18@2329.63,2106.33 2475.76,1960.2 2475.76,409.51 v1(2407.7,341.45)
  Bottom w8: v1(2254.15,372.61) 2299.36,327.39 2392.87,327.39 2406.93,341.45 v1(2407.7,341.45)
NetU3_24: U3.24 U13.CN10-6 | length 2806.3
  Top w8: U3.24@2221.56,407.35 2221.56,411.16 2221.89,411.49 v1(2246.3,411.49)
  Bottom w8: v1(2246.3,411.49) 2247.96,411.49 2280.47,378.98 2355.89,378.98 2371.38,363.5 2485.34,363.5 2575.07,453.22 2575.07,2524.14 2539.32,2559.89 2476.07,2559.89 U13.CN10-6@2329.63,2706.33
NetU3_29: U3.29 U4.29 U7.4 | length 1826.1
  Top w8: U4.29@1660.02,497.91 1660.35,498.24 1700.01,498.24 v1(1705.71,503.94) ; v1(1984.94,970.16) 2020.79,970.16 U7.4@2023.24,967.71 2023.24,1004.07 2037.05,1017.89 2273.07,1017.89 2451.96,839 v1(2451.96,515.79) ; U3.29@2249.12,497.91 2277.42,497.91 2285.3,505.78 2294.02,505.78 v1(2296.26,508.02)
  Bottom w8: v1(1705.71,503.94) 1705.82,503.94 1765.97,503.94 1833.43,571.4 1833.43,856.93 1946.66,970.16 v1(1984.94,970.16) ; v1(2296.26,508.02) 2296.26,503.94 2314.24,485.96 2422.13,485.96 v1(2451.96,515.79)
NetU3_30: U3.30 U13.CN10-25 | length 1410.7
  Top w8: U13.CN10-25@2229.63,1706.33 2280.23,1655.73 2344.49,1655.73 2382.56,1617.65 2382.56,1087.19 2436.79,1032.96 v1(2436.79,884.17) ; U3.30@2249.12,513.65 2249.45,513.98 2272.84,513.98 2297.24,538.39 v1(2301.18,538.39)
  Bottom w8: v1(2301.18,538.39) 2302.59,538.39 2436.79,672.58 v1(2436.79,884.17)
NetU3_33: U3.33 U13.CN10-29 | length 1163
  Top w8: U3.33@2249.12,560.9 2249.45,561.23 2275.48,561.23 2309.11,594.86 v1(2332.42,594.86)
  Bottom w8: U13.CN10-29@2229.63,1506.33 2284.2,1451.76 2284.2,1387.51 2310.82,1360.89 2339.32,1360.89 2447.01,1253.2 2447.01,1047.84 2407.85,1008.67 2407.85,670.29 v1(2332.42,594.86)
NetU3_34: U3.34 U13.CN10-33 | length 910.5
  Top w8: U3.34@2249.12,576.65 2249.17,576.7 2272.56,576.7 2322.57,626.7 2330.44,626.7 v1(2332.68,628.94)
  Bottom w8: U13.CN10-33@2229.63,1306.33 2242.86,1306.33 2426.19,1122.99 2426.19,1067.5 2387.84,1029.14 2387.84,684.1 v1(2332.68,628.94)
NetU3_39: U3.39 U4.39 U13.CN10-28 | length 2010.8
  Top w8: U4.39@1600.97,635.7 1600.97,663.88 1629.33,692.24 v1(1645.96,692.24) ; v1(1790.9,590.28) 1826.77,626.14 1826.77,663.19 1848.36,684.79 v1(1926.4,684.79) ; v1(2161.38,1071.03) 2161.38,1502.33 2184.43,1525.38 2218.89,1559.84 2283.14,1559.84 U13.CN10-28@2329.63,1606.33 ; U3.39@2190.07,635.7 2190.07,676.27 2195.62,681.82 v1(2195.62,686.02)
  Bottom w8: v1(1645.96,692.24) 1645.96,664 1701.44,608.53 1772.65,608.53 v1(1790.9,590.28) ; v1(1926.4,684.79) 1926.4,715.59 1972.21,761.4 2025.02,761.4 2101.59,684.83 2101.59,655.99 2118.78,638.8 2170.06,638.8 2195.44,664.18 v1@2195.44,684.8 ; v1(2161.38,1071.03) 2209.07,1023.35 2209.07,716.02 2197.35,704.31 2197.35,686.72 v1@2195.44,684.8 ; v1(2195.62,686.02) 2195.44,685.84 v1@2195.44,684.8
NetU3_40: U3.40 U4.40 U13.CN10-10 | length 2952
  Top w8: U4.40@1585.22,635.7 1585.22,674.79 1604.77,694.33 v1(1604.77,694.74) ; v1(1753.56,589.69) 1811.06,647.19 1811.06,665.87 1847.81,702.61 1883.72,702.61 v1(1884.84,703.74) ; v1(2101.69,1093.58) 2101.39,1093.88 2101.39,2083.69 2178.59,2160.89 2250.97,2160.89 2277.45,2187.37 2277.45,2454.14 U13.CN10-10@2329.63,2506.33 ; U3.40@2174.32,635.7 2174.32,706.17 2182.62,714.48 v1(2182.62,717.6)
  Bottom w8: v1(1604.77,694.74) 1604.77,667.85 1682.93,589.69 v1(1753.56,589.69) ; v1(1884.84,703.74) 1958.51,777.41 2031.65,777.41 2117.77,691.28 2117.77,670.49 2130.78,657.48 2162.25,657.48 2175.78,671.01 2175.78,702 2178.61,704.83 2178.61,713.59 v1(2182.62,717.6) ; v1(2101.69,1093.58) 2107.44,1093.58 2180.84,1020.17 v1@2180.84,715.86
NetU3_41: U3.41 U4.41 U13.CN10-26 | length 2038.4
  Top w8: U4.41@1569.47,635.7 1569.47,678.72 1584.65,693.9 1584.65,701.26 1604.84,721.46 v1(1854.33,721.46) ; v1(2123.53,1039.59) 2123.53,1096.18 2140.08,1112.73 2140.08,1690.92 2201.14,1751.98 2283.98,1751.98 U13.CN10-26@2329.63,1706.33 ; v1(2154.48,677.77) 2154.48,675.71 2158.57,671.61 U3.41@2158.57,635.7
  Bottom w8: v1(1854.33,721.46) 1855.46,722.58 1926.68,793.8 2038.44,793.8 v1(2154.48,677.77) 2154.48,1008.64 v1(2123.53,1039.59)
NetU3_45: U3.45 U13.CN10-20 | length 1596.4
  Top w8: U3.45@2095.58,635.7 2095.58,685.56 2071.86,709.27 2071.86,765.82 2113.15,807.1 2192.66,807.1 v1(2314.26,928.71) ; U13.CN10-20@2329.63,2006.33 2402.4,1933.56 v1(2402.4,1095.41)
  Bottom w8: v1(2314.26,928.71) 2314.26,1011.25 2398.42,1095.41 v1(2402.4,1095.41)
NetU4_21: U4.21 U13.CN10-9 | length 2926.4
  Top w8: U4.21@1585.22,407.35 1585.55,407.02 1585.55,387.52 1601.01,372.07 v1(1605.39,372.07)
  Bottom w8: v1(1605.39,372.07) 1557.52,372.07 1522.42,407.17 1522.42,614.62 1490.16,646.88 1490.16,688.98 1436.35,742.78 1436.35,772.05 1342.52,865.88 1342.52,1387.8 1466.54,1511.81 1878.94,1511.81 1916.2,1549.07 1916.2,1670.14 2069.88,1823.82 2069.88,2278.28 2150.18,2358.58 2150.18,2426.87 U13.CN10-9@2229.63,2506.33
NetU4_23: U4.23 U13.CN10-11 | length 2825.1
  Top w8: U4.23@1616.72,407.35 1617.05,407.02 1617.05,387.52 1635.45,369.11 v1(1641.81,369.11)
  Bottom w8: v1(1641.81,369.11) 1638.06,369.11 1572.89,434.28 1572.89,595.42 1507.87,660.43 1507.87,693.9 1460.44,741.33 1460.44,784.71 1372.05,873.1 1372.05,1378.94 1475.39,1482.28 1930.15,1482.28 1978.35,1530.48 1978.35,1682.76 2106.3,1810.71 2106.3,2197.63 2177.17,2268.5 2177.17,2353.86 U13.CN10-11@2229.63,2406.33
NetU4_24: U4.24 U13.CN10-30 | length 2157.4
  Top w8: U4.24@1632.46,407.35 1632.46,400.04 1642.66,400.04 1642.66,395.76 1668.38,370.04 v1(1692.62,370.04)
  Bottom w8: v1(1692.62,370.04) 1692.62,395.37 1674.44,413.56 1674.44,565.36 1564.8,675 1564.8,841.4 1455.88,950.32 1455.88,1386.99 1485.24,1416.34 2067.91,1416.34 2202.33,1550.76 2248.04,1550.76 2282.2,1516.6 2319.36,1516.6 U13.CN10-30@2329.63,1506.33
NetU4_30: U4.30 U13.CN10-19 | length 1827.8
  Top w8: U4.30@1660.02,513.65 1684.91,513.65 1700.19,528.93 v1(1724.35,528.93) ; v1(2120.24,1120.95) 2120.24,1896.93 U13.CN10-19@2229.63,2006.33
  Bottom w8: v1(1724.35,528.93) 1759.12,528.93 1814.33,584.13 1814.33,870.1 1862.52,918.3 1862.52,948.68 2034.8,1120.95 v1(2120.24,1120.95)
NetU4_33: U4.33 U13.CN10-21 | length 1597.5
  Top w8: U4.33@1660.02,560.9 1687.56,560.9 1792.32,665.66 v1(1792.32,695.87) ; v1(2033.24,1197.5) 2033.24,1250.93 2077.76,1295.45 v1(2077.76,1689.96)
  Bottom w8: v1(1792.32,695.87) 1793.58,697.13 1793.58,909.84 2033.24,1149.49 v1(2033.24,1197.5) ; v1(2077.76,1689.96) 2161.38,1773.59 2161.38,1836.92 2229.63,1905.17 U13.CN10-21@2229.63,1906.33
NetU4_34: U4.34 U13.CN10-23 | length 1479.6
  Top w8: U4.34@1660.02,576.65 1660.35,576.98 1683.91,576.98 1766.9,659.97 v1(1766.9,673.27) ; v1(2002.33,1214.82) 2002.33,1277.08 2055.7,1330.45 v1(2055.7,1582.85)
  Bottom w8: v1(1766.9,673.27) 1766.73,673.43 1766.73,745.08 1775.59,753.94 1775.59,958.92 2002.33,1185.66 v1(2002.33,1214.82) ; v1(2055.7,1582.85) 2114.17,1641.32 2114.17,1685.36 2229.63,1800.82 U13.CN10-23@2229.63,1806.33
NetU4_45: U4.45 U13.CN10-12 | length 2502
  Top w8: v1(1490.59,740.71) 1490.41,740.53 1490.41,687.86 1506.48,671.79 U4.45@1506.48,635.7
  Bottom w8: v1(1490.59,740.71) 1490.41,740.89 1490.41,827.99 1401.57,916.82 1401.57,1368.99 1485.34,1452.76 1971.49,1452.76 2033.24,1514.5 2033.24,1684.65 2135.83,1787.24 2135.83,2181.36 2216.36,2261.89 2248.04,2261.89 2274.07,2287.92 2274.07,2350.76 U13.CN10-12@2329.63,2406.33
NetU6_2: U6.2 U13.CN9-6 | length 2633.4
  Top w8: U13.CN9-6@529.63,2505.33 485.2,2460.89 485.2,2386.92 512.09,2360.03 554.13,2360.03 623.54,2290.63 1124.14,2290.63 1203.41,2211.36 1203.41,1662.04 1234.25,1631.2 1234.25,1561.47 1505.02,1290.7 1596.25,1290.7 1605.6,1281.35 v1(1608.77,1281.35) ; v1(1648.45,1255.26) 1722.85,1255.26 v1(1723.77,1256.18) ; v1(1753.41,980.27) 1786.74,980.27 1809.46,957.54 1809.46,943.54 U6.2@1811.37,941.63
  Bottom w8: v1(1608.77,1281.35) 1634.86,1255.26 v1(1648.45,1255.26) ; v1(1723.77,1256.18) 1820.85,1159.1 1820.85,1073.82 1753.41,1006.38 v1(1753.41,980.27)
NetU7_3: U7.3 U13.CN9-10 | length 3072
  Top w8: U13.CN9-10@529.63,2305.33 482.82,2352.14 419.98,2352.14 383.22,2388.9 383.22,2524.54 415.53,2556.85 540.95,2556.85 593.03,2504.77 593.03,2435.05 695,2333.09 1124.14,2333.09 1255.46,2201.77 1255.46,1689.99 1289.81,1655.64 1289.81,1583.22 v1(1490.16,1382.87) ; v1(1890.95,1138.13) 1890.95,1123.15 1929.49,1084.6 1992.96,1084.6 U7.3@2023.24,1054.33
  Bottom w8: v1(1490.16,1382.87) 1796.04,1382.87 1890.95,1287.97 v1(1890.95,1138.13)